# Altium PCB Arm.PcbDoc (part 2 of 2)
Units mil, origin at the board's own origin, x right, y up, seen from the top; angles counter-clockwise.
Board outline 6299.21 x 2952.76 mil, 4 copper layers (Top Layer, GND, 3V3, Bottom Layer), stack 61.811 mil thick; 133 components, 123 nets, 639 pads, 1064 vias.
Unrouted connection lines stored in the file: 2.
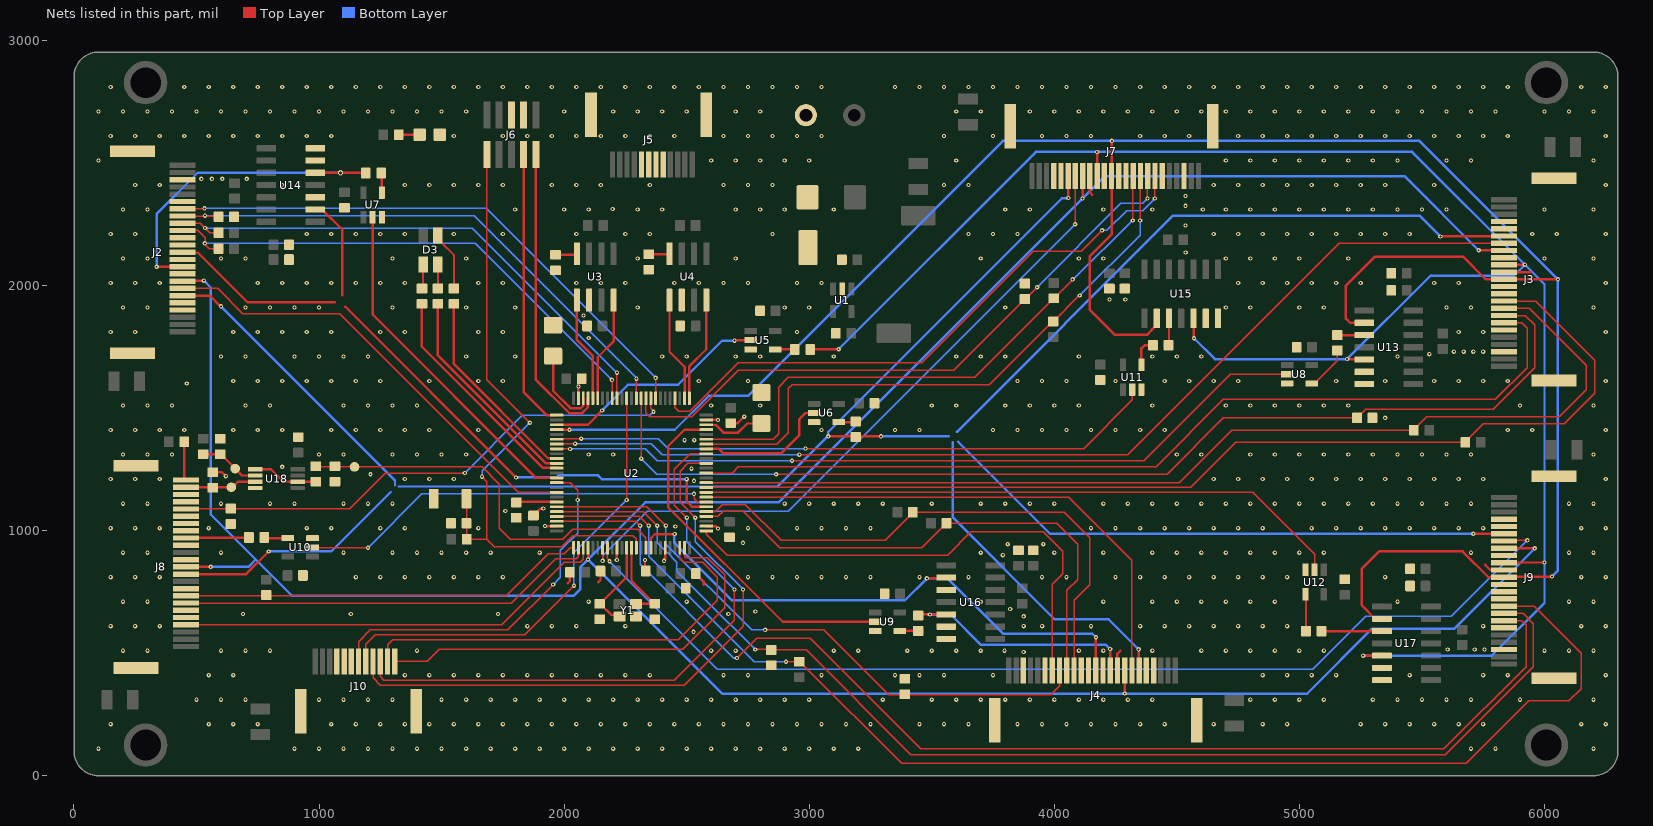
[diagram p4: the nets of this part, all layers, seen from the top]

## Via types
v1: diameter 17.72, hole 7.87, Top Layer to Bottom Layer, tented both sides, 1063 vias
v2: diameter 21, hole 12, Top Layer to Bottom Layer, tented both sides, 1 vias

## Nets (pads, with @x,y where several pads share a name; then routed paths per layer and width w, separated by ;. In a path a pad name is that pad's centre, name@x,y a point inside that pad or via, vN(x,y) a via of type N, cw(c..) or ccw(c..) an arc to the next point about the centre after c; other vN are vias at no path point) (continued)
GND: C1.1 C2.1 C3.2 C4.2 C5.2 C6.2 C7.2 C8.2 C9.2 C10.1 C11.1 C12.1 C13.1 C14.1 C15.1 C16.1 C17.2 C18.2 C19.1 C20.1 C21.1 C22.1 C23.1 C24.1 C25.1 C26.1 C27.1 C28.1 C29.1 C30.1 C31.1 C32.1 C33.1 C34.1 C35.1 C36.1 C37.1 C38.1 D1.2 D2.2 J1.2 J2.0 J2.4 J2.5 J2.9 J2.11 J2.13 J2.14 J2.19 J2.22 J3.0 J3.4 J3.5 J3.9 J3.11 J3.13 J3.14 J3.19 J3.22 J4.0 J4.4 J4.5 J4.9 J4.11 J4.13 J4.14 J4.19 J4.22 J5.0 J5.5 J5.6 J5.7 J5.8 J6.3 J6.5 J7.0 J7.4 J7.5 J7.9 J7.11 J7.13 J7.14 J7.19 J7.22 J8.0 J8.5 J8.6 J8.9 J8.13 J8.15 J8.17 J8.18 J8.19 J8.21 J8.22 J9.0 J9.4 J9.5 J9.9 J9.11 J9.13 J9.14 J9.15 J9.19 J9.22 J10.0 J10.7 J10.8 J10.9 R4.1 R9.1 R10.1 R13.2 R17.1 R19.1 R23.1 R24.1 R26.1 R42.1 R43.1 S1.1 TP3.1 U1.2 U2.10 U2.20 U2.27 U2.49 U2.74 U2.99 U3.2 U4.2 U5.3 U6.3 U7.3 U8.3 U9.3 U10.3 U11.3 U12.3 U13.6 U13.7 U14.3 U14.6 U14.7 U15.6 U15.7 U16.3 U16.6 U16.7 U17.6 U17.7 U18.4 Y1.2 | length 1080.6
  Top Layer w10: R42.1@567,1237.98 604.02,1237.98 v1(620,1222) ; C5.2@1875,1061.5 1903.5,1090 v1(1915,1090) ; v1(1921.86,1018.54) v1(1921.86,1018.54) U2.99@1969.88,1018.46 ; 2015,785 2023.5,793.5 C4.2@2023.5,830 ; U2.74@2058.46,1540.12 v1(2058.54,1588.14) v1(2058.54,1588.14) 2058.54,1607.05 C6.2@2071.5,1620 ; 2140,790 2148.5,798.5 C9.2@2148.5,835 ; v1(2215,880) 2215.47,880.47 2215.47,929.41 U2.10@2215.94,929.88 ; v1(2330,880) 2330,838.5 C3.2@2333.5,835 ; v1(2407.72,876.86) 2412.8,881.94 U2.20@2412.8,929.88 ; C10.1@2536.5,825 2570,791.5 2570,780 ; U2.27@2580.12,1018.46 2618.06,1018.46 v1(2628.14,1008.38) ; U2.49@2580.12,1451.54 v1(2628.14,1451.46) v1(2628.14,1451.46) ; C7.2@2680,1438.5 2708.5,1438.5 v1(2735,1465) ; J7.9@4145.09,2446 4145.09,2379.91 4155,2370 ; J4.9@4257.58,429.87 4257.58,497.58 4270,510 ; 5757.54,860.6 5778.62,839.53 J9.11@5835.13,839.53 ; J3.11@5835,2054.69 5944.69,2054.69 5945,2055
  other v1: 100,110.3 900,110.3 1000,110.3 1100,110.3 1200,110.3 1300,110.3 1400,110.3 1500,110.3 1600,110.3 1700,110.3 1800,110.3 1900,110.3 2000,110.3 2100,110.3 2200,110.3 2300,110.3 2400,110.3 2500,110.3 2600,110.3 2700,110.3 2800,110.3 2900,110.3 3000,110.3 3100,110.3 3200,110.3 5700,110.3 5800,110.3 6200,110.3 150,210.3 550,210.3 650,210.3 750,210.3 1050,210.3 1150,210.3 1250,210.3 1350,210.3 1450,210.3 1550,210.3 1650,210.3 1750,210.3 1850,210.3 1950,210.3 2050,210.3 2150,210.3 2250,210.3 2350,210.3 2450,210.3 2550,210.3 2650,210.3 2750,210.3 2850,210.3 2950,210.3 3050,210.3 3150,210.3 3250,210.3 3450,210.3 3550,210.3 3650,210.3 3850,210.3 3950,210.3 4050,210.3 4150,210.3 4250,210.3 4350,210.3 4450,210.3 4650,210.3 4850,210.3 4950,210.3 5250,210.3 5350,210.3 5450,210.3 5550,210.3 5650,210.3 5750,210.3 6150,210.3 6250,210.3 500,310.3 600,310.3 700,310.3 1000,310.3 1100,310.3 1200,310.3 1300,310.3 1500,310.3 1600,310.3 1700,310.3 1800,310.3 1900,310.3 2000,310.3 2100,310.3 2200,310.3 2300,310.3 2400,310.3 2500,310.3 2600,310.3 2700,310.3 2800,310.3 2900,310.3 3000,310.3 3300,310.3 3500,310.3 3600,310.3 3700,310.3 3800,310.3 3900,310.3 4000,310.3 4100,310.3 4200,310.3 4300,310.3 4400,310.3 4800,310.3 4900,310.3 5000,310.3 5100,310.3 5300,310.3 5400,310.3 5500,310.3 5600,310.3 5700,310.3 5900,310.3 6200,310.3 550,410.3 650,410.3 1350,410.3 1450,410.3 1550,410.3 1650,410.3 1750,410.3 1850,410.3 1950,410.3 2050,410.3 2150,410.3 2250,410.3 2350,410.3 2650,410.3 2750,410.3 3050,410.3 3350,410.3 3450,410.3 3550,410.3 3750,410.3 4850,410.3 4950,410.3 5050,410.3 5150,410.3 5450,410.3 5750,410.3 5850,410.3 6250,410.3 3875,505 200,510.3 300,510.3 600,510.3 700,510.3 800,510.3 1400,510.3 2600,510.3 2700,510.3 3100,510.3 3200,510.3 3400,510.3 3500,510.3 3600,510.3 3700,510.3 3796.81,510.3 4100,510.3 4200,510.3 4400,510.3 4600,510.3 4700,510.3 4800,510.3 4900,510.3 5000,510.3 5100,510.3 6000,510.3 6100,510.3 6200,510.3 5605,515 5715,515 5755,515 2528,587 150,610.3 250,610.3 350,610.3 1850,610.3 1950,610.3 2050,610.3 2250,610.3 3875,610 3950.64,610.3 4150,610.3 4350,610.3 4450,610.3 4550,610.3 4650,610.3 4750,610.3 4850,610.3 4950,610.3 5750,610.3 6150,610.3 6250,610.3 3875,650 690,660 1130,660 1730,660 2670,660 2780,670 3820,680 200,710.3 300,710.3 2100,710.3 2500,710.3 3700,710.3 4200,710.3 4400,710.3 4500,710.3 4600,710.3 4700,710.3 4800,710.3 4900,710.3 5400,710.3 6100,710.3 6200,710.3 150,810.3 250,810.3 350,810.3 1150,810.3 1250,810.3 1350,810.3 1450,810.3 1550,810.3 1650,810.3 1750,810.3 2750,810.3 2850,810.3 2950,810.3 3050,810.3 3150,810.3 3250,810.3 3450,810.3 3650,810.3 3950,810.3 4050,810.3 4250,810.3 4350,810.3 4450,810.3 4550,810.3 4650,810.3 4750,810.3 4850,810.3 4950,810.3 5350,810.3 6150,810.3 6250,810.3 3790,900 200,910.3 300,910.3 600,910.3 1100,910.3 1300,910.3 1400,910.3 1500,910.3 1600,910.3 1700,910.3 1900,910.3 3700,910.3 4000,910.3 4200,910.3 4400,910.3 4500,910.3 4600,910.3 4700,910.3 4800,910.3 4900,910.3 5000,910.3 5100,910.3 5700,910.3 6100,910.3 6200,910.3 3810,945 3955,945 2730,950 150,1010.3 250,1010.3 350,1010.3 550,1010.3 950,1010.3 1050,1010.3 1250,1010.3 1350,1010.3 1650,1010.3 2750,1010.3 2950,1010.3 3050,1010.3 3150,1010.3 3250,1010.3 4150,1010.3 4250,1010.3 4350,1010.3 4450,1010.3 4550,1010.3 4650,1010.3 4750,1010.3 4850,1010.3 5050,1010.3 5150,1010.3 5250,1010.3 5350,1010.3 5450,1010.3 5550,1010.3 5650,1010.3 5750,1010.3 6150,1010.3 6250,1010.3 2454,1017 1760,1080 200,1110.3 300,1110.3 600,1110.3 800,1110.3 900,1110.3 1100,1110.3 1200,1110.3 1300,1110.3 2900,1110.3 3000,1110.3 3100,1110.3 3200,1110.3 3300,1110.3 3500,1110.3 3700,1110.3 3800,1110.3 3900,1110.3 4000,1110.3 4200,1110.3 4300,1110.3 4400,1110.3 4500,1110.3 4600,1110.3 4700,1110.3 4800,1110.3 4900,1110.3 5000,1110.3 5100,1110.3 5200,1110.3 5300,1110.3 5400,1110.3 5500,1110.3 5600,1110.3 5700,1110.3 6100,1110.3 6200,1110.3 2530,1203 150,1210.3 250,1210.3 350,1210.3 1350,1210.3 1450,1210.3 1550,1210.3 4650,1210.3 4750,1210.3 4850,1210.3 4950,1210.3 5050,1210.3 5150,1210.3 5250,1210.3 5350,1210.3 5450,1210.3 5550,1210.3 5650,1210.3 5750,1210.3 6250,1210.3 1210,1230 2520,1253 850,1260 200,1310.3 300,1310.3 400,1310.3 1000,1310.3 1100,1310.3 1300,1310.3 1400,1310.3 1500,1310.3 1600,1310.3 2100,1310.3 2200,1310.3 4500,1310.3 4600,1310.3 4800,1310.3 4900,1310.3 5000,1310.3 5100,1310.3 5200,1310.3 5300,1310.3 5400,1310.3 5500,1310.3 5600,1310.3 5700,1310.3 6200,1310.3 2491,1369 2531,1369 150,1410.3 250,1410.3 350,1410.3 450,1410.3 650,1410.3 750,1410.3 850,1410.3 1050,1410.3 1150,1410.3 1250,1410.3 1350,1410.3 1450,1410.3 1650,1410.3 3050,1410.3 3350,1410.3 3450,1410.3 3750,1410.3 3850,1410.3 3950,1410.3 4050,1410.3 4150,1410.3 4250,1410.3 4350,1410.3 4450,1410.3 5850,1410.3 5950,1410.3 6250,1410.3 5350,1460 200,1510.3 300,1510.3 400,1510.3 700,1510.3 800,1510.3 1100,1510.3 1200,1510.3 1300,1510.3 1400,1510.3 2600,1510.3 2800,1510.3 3500,1510.3 3600,1510.3 3800,1510.3 3900,1510.3 4000,1510.3 4100,1510.3 4400,1510.3 4700,1510.3 4800,1510.3 4900,1510.3 5000,1510.3 5100,1510.3 5200,1510.3 5900,1510.3 6200,1510.3 460.3,1600 650,1610.3 750,1610.3 850,1610.3 950,1610.3 1050,1610.3 1150,1610.3 1250,1610.3 1450,1610.3 1650,1610.3 1750,1610.3 2550,1610.3 2750,1610.3 3850,1610.3 3950,1610.3 4050,1610.3 4250,1610.3 4450,1610.3 4550,1610.3 4650,1610.3 4750,1610.3 5150,1610.3 5350,1610.3 5550,1610.3 5650,1610.3 5750,1610.3 5850,1610.3 6250,1610.3 600,1710.3 700,1710.3 900,1710.3 1000,1710.3 1100,1710.3 1200,1710.3 1600,1710.3 1800,1710.3 2400,1710.3 2500,1710.3 2700,1710.3 2800,1710.3 3100,1710.3 3600,1710.3 3700,1710.3 3800,1710.3 4100,1710.3 4400,1710.3 4500,1710.3 4600,1710.3 5400,1710.3 5530,1720 5630,1730 5670,1730 5710,1730 5750,1730 2100.63,1785.63 150,1810.3 250,1810.3 650,1810.3 750,1810.3 850,1810.3 950,1810.3 1050,1810.3 1250,1810.3 1350,1810.3 1650,1810.3 1750,1810.3 2950,1810.3 5650,1810.3 5750,1810.3 6250,1810.3 2079,1878 200,1910.3 300,1910.3 700,1910.3 800,1910.3 900,1910.3 1000,1910.3 1300,1910.3 1600,1910.3 1800,1910.3 2300,1910.3 2900,1910.3 3000,1910.3 3800,1910.3 4700,1910.3 4800,1910.3 5000,1910.3 5100,1910.3 5600,1910.3 5700,1910.3 6200,1910.3 4225,1943.12 4290,1943.12 150,2010.3 250,2010.3 350,2010.3 750,2010.3 850,2010.3 950,2010.3 1050,2010.3 1150,2010.3 1250,2010.3 1350,2010.3 1650,2010.3 1750,2010.3 2050,2010.3 2150,2010.3 2250,2010.3 2450,2010.3 2550,2010.3 2650,2010.3 2750,2010.3 2950,2010.3 3050,2010.3 4750,2010.3 4850,2010.3 4950,2010.3 5050,2010.3 5150,2010.3 5250,2010.3 5550,2010.3 5650,2010.3 6250,2010.3 200,2110.3 300,2110.3 600,2110.3 700,2110.3 1300,2110.3 1600,2110.3 2300,2110.3 2700,2110.3 3700,2110.3 4100,2110.3 4200,2110.3 4700,2110.3 4800,2110.3 4900,2110.3 5000,2110.3 5200,2110.3 6000,2110.3 6200,2110.3 4535.86,2135 150,2210.3 250,2210.3 950,2210.3 1050,2210.3 1150,2210.3 1250,2210.3 1350,2210.3 1550,2210.3 1750,2210.3 2050,2210.3 2250,2210.3 2350,2210.3 2850,2210.3 3650,2210.3 3750,2210.3 3850,2210.3 4650,2210.3 4750,2210.3 4850,2210.3 4950,2210.3 5050,2210.3 5150,2210.3 5250,2210.3 5350,2210.3 5450,2210.3 5950,2210.3 6050,2210.3 6250,2210.3 4535,2245 200,2310.3 300,2310.3 1800,2310.3 2000,2310.3 2100,2310.3 2300,2310.3 2400,2310.3 2700,2310.3 2800,2310.3 2900,2310.3 3100,2310.3 3800,2310.3 3900,2310.3 4200,2310.3 4400,2310.3 4605.86,2310.3 4700,2310.3 4800,2310.3 4900,2310.3 5000,2310.3 5100,2310.3 5200,2310.3 5300,2310.3 5400,2310.3 5500,2310.3 5600,2310.3 6000,2310.3 6200,2310.3 2198.1,2312.2 4535,2325 4535,2365 250,2410.3 350,2410.3 850,2410.3 1350,2410.3 1450,2410.3 1550,2410.3 1650,2410.3 1750,2410.3 1950,2410.3 2050,2410.3 2150,2410.3 2350,2410.3 2650,2410.3 2750,2410.3 2850,2410.3 3550,2410.3 3650,2410.3 4650,2410.3 4750,2410.3 4850,2410.3 4950,2410.3 5050,2410.3 5150,2410.3 5250,2410.3 5350,2410.3 5550,2410.3 6250,2410.3 520,2435 562.5,2435 605,2435 705,2435 100,2510.3 2600,2510.3 2700,2510.3 2800,2510.3 2900,2510.3 3000,2510.3 3600,2510.3 4700,2510.3 4800,2510.3 4900,2510.3 5000,2510.3 5100,2510.3 5200,2510.3 5300,2510.3 5400,2510.3 5600,2510.3 5700,2510.3 6200,2510.3 150,2610.3 250,2610.3 350,2610.3 450,2610.3 550,2610.3 650,2610.3 750,2610.3 850,2610.3 950,2610.3 1050,2610.3 1550,2610.3 1750,2610.3 1850,2610.3 1950,2610.3 2050,2610.3 2150,2610.3 2250,2610.3 2350,2610.3 2450,2610.3 2650,2610.3 2750,2610.3 2850,2610.3 2950,2610.3 3050,2610.3 3550,2610.3 3750,2610.3 3950,2610.3 4050,2610.3 4150,2610.3 4350,2610.3 4450,2610.3 4550,2610.3 4750,2610.3 4850,2610.3 4950,2610.3 5050,2610.3 5150,2610.3 5250,2610.3 5350,2610.3 5450,2610.3 5550,2610.3 5650,2610.3 5750,2610.3 5850,2610.3 6250,2610.3 100,2710.3 200,2710.3 300,2710.3 400,2710.3 500,2710.3 600,2710.3 700,2710.3 800,2710.3 900,2710.3 1000,2710.3 1100,2710.3 1200,2710.3 1300,2710.3 1400,2710.3 1500,2710.3 1600,2710.3 2000,2710.3 2200,2710.3 2300,2710.3 2400,2710.3 2500,2710.3 2700,2710.3 2800,2710.3 3600,2710.3 3700,2710.3 3900,2710.3 4000,2710.3 4100,2710.3 4200,2710.3 4300,2710.3 4400,2710.3 4500,2710.3 4600,2710.3 4700,2710.3 4800,2710.3 4900,2710.3 5000,2710.3 5100,2710.3 5200,2710.3 5300,2710.3 5400,2710.3 5500,2710.3 5600,2710.3 5700,2710.3 5800,2710.3 6000,2710.3 6100,2710.3 6200,2710.3 150,2810.3 450,2810.3 550,2810.3 650,2810.3 750,2810.3 850,2810.3 950,2810.3 1050,2810.3 1150,2810.3 1250,2810.3 1350,2810.3 1450,2810.3 1550,2810.3 1650,2810.3 1750,2810.3 1850,2810.3 1950,2810.3 2050,2810.3 2150,2810.3 2250,2810.3 2350,2810.3 2450,2810.3 2550,2810.3 2650,2810.3 2750,2810.3 2850,2810.3 2950,2810.3 3050,2810.3 3350,2810.3 3450,2810.3 3550,2810.3 3650,2810.3 3750,2810.3 3850,2810.3 3950,2810.3 4050,2810.3 4150,2810.3 4250,2810.3 4350,2810.3 4450,2810.3 4550,2810.3 4650,2810.3 4750,2810.3 4850,2810.3 4950,2810.3 5050,2810.3 5150,2810.3 5250,2810.3 5350,2810.3 5450,2810.3 5550,2810.3 5650,2810.3 5750,2810.3 5850,2810.3 6150,2810.3 6250,2810.3
LED_B: R12.2 U2.87 | length 930
  Top Layer w10: R12.2@1420,1925 1420,1750 1914.41,1255.59 1968.98,1255.59 U2.87@1969.88,1254.68
LED_G: R15.2 U2.86 | length 877.4
  Top Layer w10: R15.2@1485,1925 1485,1715 1924.72,1275.28 1968.98,1275.28 U2.86@1969.88,1274.37
LED_R: R14.1 U2.85 | length 824.7
  Top Layer w10: R14.1@1550,1925 1550,1680 1935.04,1294.96 1968.98,1294.96 U2.85@1969.88,1294.06
NetC12_2: C12.2 U2.12 Y1.1 | length 376.4
  Top Layer w10: C12.2@2145,701.5 C12.2@2146.97,701.5 ; Y1.1@2226.54,649.41 2220.27,655.68 2192.79,655.68 C12.2@2146.97,701.5 ; U2.12@2255.31,929.88 2255.31,810.31 2161.65,716.65 2161.65,716.18 C12.2@2146.97,701.5
NetC13_2: C13.2 U2.13 Y1.3 | length 343.8
  Top Layer w10: U2.13@2275,929.88 2275,794.53 C13.2@2368.03,701.5 ; Y1.3@2293.46,700.59 2294.37,701.5 C13.2@2368.03,701.5 ; C13.2@2370,701.5 C13.2@2368.03,701.5
NetC15_2: C15.2 U2.73 | length 328.7
  Top Layer w10: C15.2@1955,1712.01 1955,1570.46 2025.9,1499.56 2068.03,1499.56 2077.37,1508.9 2077.37,1539.34 U2.73@2078.15,1540.12
NetC16_2: C16.2 U2.48 | length 253.4
  Top Layer w10: U2.48@2580.12,1431.85 2581.02,1430.94 2619.06,1430.94 2650,1400 2710,1400 2747.01,1437.01 C16.2@2805,1437.01
NetC38_2: C38.2 R41.2 TP5.1 U2.16 | length 1647.7
  Top Layer w6: R41.2@987,1262.98 989.98,1260 1065,1260 TP5.1@1145,1260 1665,1260 1735,1190 1735,1010 1780,965 1995,965 2035,1005 2300,1005 2334.06,970.94 U2.16@2334.06,929.88
NetD2_1: D2.1 R1.1 | length 85.7
  Top Layer w10: R1.1@1324.56,2615.47 D2.1@1410.23,2615.47
NetD3_1: D3.1 R14.2 | length 243.3
  Top Layer w8: D3.1@1484.53,2204.06 1484.53,2190.28 1499.21,2175.59 1499.41,2175.59 1550,2125 R14.2@1550,1987.99
NetD3_2: D3.2 R15.1 | length 98.1
  Top Layer w8: D3.2@1484.53,2085.94 1484.53,1988.46 R15.1@1485,1987.99
NetD3_3: D3.3 R12.1 | length 100.2
  Top Layer w8: R12.1@1420,1987.99 1424.21,1992.2 1424.21,2084.69 D3.3@1425.47,2085.94
NetJ2_6: J2.6 J3.6 J4.6 J7.6 J8.11 J9.6 R28.2 | length 12378
  Top Layer w10: J2.6@442.87,1958.84 443.16,1959.13 554.01,1959.13 598.13,1915 v1(600,1915) ; J8.11@457,822.47 702.47,822.47 v1(795,915) ; v1(3077.59,1384.79) 3183.21,1384.79 R28.2@3187.99,1380 ; R28.2@3187.99,1384.79 v1(3292.59,1384.79) ; J7.6@4056.51,2446 4056.99,2445.52 4056.99,2357.4 v1(4057.47,2356.92) ; v1(4344.38,515.65) 4345.27,514.76 4345.27,430.76 J4.6@4346.16,429.87 ; v1(5575,2200) 5576.16,2201.16 5833.84,2201.16 J3.6@5835,2202.33 ; v1(5709.92,987.16) J9.6@5835.13,987.16
  Bottom Layer w10: v1(600,1915) 1310,1205 1310,1186 ; v1(795,915) 1050,915 1292.5,1157.5 ; 1325,1180 2870,1180 v1@3076.19,1386.19 ; v1(3077.59,1384.79) 3077.59,1402.59 4030.44,2355.44 4056,2355.44 v1(4057.47,2356.92) ; v1(3292.59,1384.79) 3292.81,1385 3570,1385 ; 3585,1360 3585,1055 4002,638 4222.03,638 v1(4344.38,515.65) ; 3602.5,1402.5 4485,2285 5490,2285 v1(5575,2200) ; 3607.5,1362.5 3982.84,987.16 v1(5709.92,987.16)
NetJ2_7: J2.7 U2.92 | length 1871.7
  Top Layer w6: J2.7@442.87,1988.36 585.91,1988.36 689.28,1885 1085,1885 1813.74,1156.26 U2.92@1969.88,1156.26
NetJ2_8: J2.8 J3.8 J4.8 J7.8 J8.12 J9.8 U2.4 | length 12344.2
  Top Layer w10: J2.8@442.87,2017.89 443.92,2018.95 528.95,2018.95 v1(530,2020) ; J8.12@457,852 457.13,852.13 557.95,852.13 v1(558.08,852.26) ; v1(2097.75,881.86) v1(2097.75,881.86) U2.4@2097.83,929.88 ; v1(4115,2355) 4115.28,2355.28 4115.28,2445.72 J7.8@4115.56,2446 ; J4.8@4287.11,429.87 4287.11,336.08 v1(4287.53,335.66) ; v1(5731.36,2143.86) 5731.65,2143.57 5834.71,2143.57 J3.8@5835,2143.28 ; J9.8@5835.13,928.11 5835.4,927.84 5960.07,927.84 v1(5960.34,927.57)
  Bottom Layer w10: v1(530,2020) 558.08,1991.92 558.08,1065.64 741.86,881.86 ; v1(558.08,852.26) 712.26,852.26 741.86,881.86 ; v1(5731.36,2143.86) 5430.22,2445 4205,2445 v1(4115,2355) 2875,1115 2330.89,1115 v1(2097.75,881.86) ; v1(5960.34,927.57) 5632.78,600 5297,600 5032,335 4287.53,335 2644.61,335 v1(2097.75,881.86) ; 741.86,881.86 888.72,735 2040,735 2065,760 2065,849.11 v1(2097.75,881.86)
NetJ2_10: J2.10 R29.2 U14.5 | length 1347.1
  Top Layer w10: v1(337.45,2076.71) 337.57,2076.83 442.75,2076.83 J2.10@442.87,2076.95 ; U14.5@985,2460 v2(1087.5,2460) 1190.01,2460 R29.2@1191.01,2459
  Bottom Layer w10: v1(337.45,2076.71) 337.45,2292.45 505,2460 v2(1087.5,2460)
NetJ2_12: J2.12 U2.31 U14.2 | length 2989.1
  Top Layer w10: J2.12@442.87,2136 444.03,2134.84 505.16,2134.84 708.35,1931.65 1065,1931.65 ; U14.2@985,2310 1012.5,2310 1095,2227.5 1095,1960 ; 1107.1,1913.9 v1(1804,1217) ; v1(2500,1210) 2500,1120 2521.89,1098.11 2579.21,1098.11 U2.31@2580.12,1097.2
  Bottom Layer w10: v1(1804,1217) 1968.29,1217 1976.29,1225 2138.5,1225 2153.5,1210 v1(2500,1210)
NetJ2_15: J2.15 R2.1 U2.67 | length 2162.8
  Top Layer w6: J2.15@442.87,2224.58 505.42,2224.58 535,2195 535,2173 v1(534,2172) 534,2168.83 544.73,2158.1 544.73,2157.93 552.66,2150 R2.1@590,2150 ; v1(2195,1615) 2195.63,1614.37 2195.63,1540.75 U2.67@2196.26,1540.12
  Bottom Layer w6: v1(534,2172) 535,2173 1637,2173 v1(2195,1615)
NetJ2_16: J2.16 R3.1 U2.66 | length 2192.4
  Top Layer w6: J2.16@442.87,2254.11 515.89,2254.11 555,2215 R3.1@590,2215 ; v1(2215.47,1644.53) 2215.71,1644.29 2215.71,1540.35 U2.66@2215.94,1540.12
  Bottom Layer w6: v1(535.44,2234.56) 1625.44,2234.56 v1(2215.47,1644.53)
NetJ2_17: J2.17 R4.2 U2.62 | length 2265.9
  Top Layer w6: J2.17@442.87,2283.64 586.36,2283.64 R4.2@590,2280 ; U2.62@2294.68,1540.12 2294.68,1619.68 v1(2295,1620)
  Bottom Layer w6: v1(535,2285) 1633,2285 2295,1623 v1(2295,1620)
NetJ2_18: J2.18 U2.58 | length 2301.2
  Top Layer w6: J2.18@442.87,2313.17 530.85,2313.17 v1(532.8,2315.11) ; U2.58@2373.43,1540.12 v1@2373.44,1623.44
  Bottom Layer w6: v1(532.8,2315.11) 1681.79,2315.11 v1(2373.45,1623.45)
NetJ3_7: J3.7 U2.82 | length 4241.9
  Top Layer w6: U2.82@1969.88,1353.11 1970.83,1354.06 2044.06,1354.06 v1(2045,1355) ; v1(2960,1310) 2965,1310 4300,1310 5162.8,2172.8 J3.7@5835,2172.8
  Bottom Layer w6: v1(2045,1355) 2355,1355 2400,1310 v1(2960,1310)
NetJ3_10: J3.10 J7.10 J9.10 R27.2 U13.5 U15.5 U17.5 | length 7806.7
  Top Layer w10: R27.2@3003.99,1739.01 3004.98,1740 v1(3120,1740) ; J7.10@4174.61,2446 4174.81,2446.19 4174.81,2544.81 v1(4175,2545) ; U15.5@4568,1866 4569,1865 4569,1786 v1(4570,1785) ; v1(5195,1700) 5196,1699 5264,1699 U13.5@5265,1698 ; v1(5260,490) U17.5@5337,490 ; J3.10@5835,2084.22 5835.39,2084.61 5919.61,2084.61 v1(5920,2085) ; J9.10@5835.13,869.05 5835.6,869.53 5907.44,869.53 5907.91,870 v1(6000,870)
  Bottom Layer w10: v1(3120,1740) 3925,2545 v1(4175,2545) 5460,2545 v1(5920,2085) ; v1(4570,1785) 4655,1700 v1(5195,1700) 5535,2040 5875,2040 v1(5920,2085) ; v1(5260,490) 5785,490 6000,705 v1(6000,870) 6000,2005 v1(5920,2085)
NetJ3_12: J3.12 J7.12 J9.12 U2.79 U13.2 U15.2 U17.2 | length 9387.3
  Top Layer w10: U2.79@1969.88,1412.17 1970.19,1411.86 2021.34,1411.86 v1(2021.65,1411.55) ; J7.12@4233.67,2446 4234.34,2446.66 4234.34,2589.34 v1(4235,2590) ; J7.12@4233.71,2444.71 4233.71,2208.71 4145,2120 4145,1900.86 4245.86,1800 4380,1800 4395.25,1815.25 4395.25,1815.75 4418,1838.5 U15.2@4418,1866 ; U13.2@5265,1848 5207,1848 5190,1865 5190,2000 5308,2118 5667.34,2118 5760.17,2025.16 J3.12@5835,2025.16 5835.08,2025.08 6054.92,2025.08 v1(6055,2025) ; U17.2@5337,640 5309.5,640 5255,694.5 5255,845 5325,915 5665.8,915 5770.8,810 J9.12@5835.13,810 5836.38,811.25 6029.16,811.25 v1(6030.41,812.5)
  Bottom Layer w10: v1(2021.65,1411.55) 2451.55,1411.55 2590,1550 2750,1550 3790,2590 v1(4235,2590) 5490,2590 v1(6055,2025) 6055,837.09 v1(6030.41,812.5)
NetJ3_15: J3.15 R6.1 U2.35 | length 4389
  Top Layer w6: U2.35@2580.12,1175.94 4555.94,1175.94 4740,1360 5675,1360 5750,1435 6080,1435 6205,1560 6205,1695 5963.42,1936.58 J3.15@5835,1936.58
NetJ3_16: J3.16 R5.1 U2.36 | length 4279.6
  Top Layer w6: U2.36@2580.12,1195 4510,1195 4725,1410 R5.1@5467.01,1410 5467.01,1411.97 5483.69,1428.65 5520.04,1465 6060,1465 6170,1575 6170,1675 5937.94,1907.05 J3.16@5835,1907.05
NetJ3_17: J3.17 R9.2 U2.61 | length 4414.1
  Top Layer w6: U2.61@2314.37,1540.12 2314.68,1539.8 v1(2314.68,1293.49) ; v1(2865,1230) 4460,1230 4690,1460 R9.2@5235,1460 5270,1495 5790,1495 5960,1665 5960,1840 5922.47,1877.53 J3.17@5835,1877.53
  Bottom Layer w6: v1(2314.68,1293.49) 2378.17,1230 v1(2865,1230)
NetJ3_18: J3.18 U2.38 | length 3792.5
  Top Layer w6: U2.38@2580.12,1235 2685,1235 2710,1260 4415,1260 4690,1535 5800,1535 5930,1665 5930,1825 5907,1848 J3.18@5835,1848
NetJ4_7: J4.7 U2.33 | length 2292
  Top Layer w6: U2.33@2580.12,1136.57 4058.43,1136.57 4316.64,878.36 J4.7@4316.64,429.87
NetJ4_10: J4.10 R31.2 U16.5 | length 993.6
  Top Layer w10: R31.2@3449,658 v1@3490,658 ; v1(3492.42,657.55) 3490.45,657.55 v1@3490,658 ; U16.5@3559,658 v1@3490,658 ; v1(4227.76,517.24) 4227.91,517.09 4227.91,430.01 J4.10@4228.05,429.87
  Bottom Layer w10: v1(3492.42,657.55) 3577.45,657.55 3701,534 4211,534 v1(4227.76,517.24)
NetJ4_12: J4.12 U2.17 U16.2 | length 2349.8
  Top Layer w10: U2.17@2353.75,929.9 2353.75,968.75 2370,985 2450,985 v1(2451.12,986.12) ; v1(3480,805) 3481.48,806.48 3557.48,806.48 U16.2@3559,808 ; J4.12@4169,429.87 4169.5,430.37 4169.5,564.5 v1(4170,565)
  Bottom Layer w10: v1(2451.12,986.12) 2450,985 2450,950 2685,715 3390,715 v1(3480,805) 3565,805 3790,580 4155,580 v1(4170,565)
NetJ4_15: J4.15 R8.1 U2.30 | length 2294.3
  Top Layer w6: U2.30@2580.12,1077.52 2617.52,1077.52 2645,1105 2740,1105 2885,960 3310,960 3425,1075 4040,1075 4145,970 4145,780 4080.42,715.42 J4.15@4080.42,429.87
NetJ4_16: J4.16 R7.1 U2.29 | length 2197.4
  Top Layer w6: U2.29@2580.12,1057.83 2627.83,1057.83 2650,1080 2730,1080 2880,930 3460,930 3541.35,1011.35 3543.31,1011.35 3560,1028.03 R7.1@3560,1030 4010,1030 4095,945 4095,800 4050.89,755.89 J4.16@4050.89,429.87
NetJ4_17: J4.17 R10.2 U2.95 | length 2491.8
  Top Layer w6: U2.95@1969.88,1097.2 2337.8,1097.2 v1(2415,1020) ; v1(2820,595) 3060,595 3325,330 3985,330 4021.36,366.36 J4.17@4021.36,429.87
  Bottom Layer w6: v1(2415,1020) 2415,945 2765,595 v1(2820,595)
NetJ4_18: J4.18 U2.26 | length 2079.4
  Top Layer w6: U2.26@2580.12,998.78 2580.12,984.88 2665,900 3564.51,900 3659.51,995 3955,995 4035,915 4035,825 3991.83,781.83 J4.18@3991.83,429.87
NetJ7_7: J7.7 U2.7 | length 2758.5
  Top Layer w6: U2.7@2156.89,929.88 2156.89,876.99 v1(2157.22,876.66) ; v1(4085,2250) 4085,2444.97 J7.7@4086.03,2446
  Bottom Layer w6: v1(2157.22,876.66) 2157.22,897.22 2340,1080 2915,1080 v1(4085,2250)
NetJ7_15: J7.15 R22.1 U2.45 | length 2403.8
  Top Layer w6: U2.45@2580.12,1372.8 2852.8,1372.8 2875,1395 2875,1585 2915,1625 3675,1625 R22.1@3997.5,1947.5 3999.47,1947.5 4075,2023.03 v1(4075,2025) ; v1(4320,2265) 4320,2443.75 J7.15@4322.25,2446
  Bottom Layer w6: v1(4075,2025) 4077.5,2025 4317.5,2265 v1(4320,2265)
NetJ7_16: J7.16 R21.1 U2.44 | length 2469.1
  Top Layer w6: U2.44@2580.12,1353.11 2868.11,1353.11 2915,1400 2915,1580 2930,1595 3735,1595 R21.1@3994,1854 ; R21.1@3995,1852.99 4101.43,1959.42 v1(4103.96,1959.42) ; v1(4350,2265) 4350,2444.22 J7.16@4351.78,2446
  Bottom Layer w6: v1(4103.96,1959.42) 4350,2205.46 v1(4350,2265)
NetJ7_17: J7.17 R24.2 U2.60 | length 2571.9
  Top Layer w6: U2.60@2334.06,1540.12 2334.06,1480.94 2350,1465 2520,1465 2710,1655 3590,1655 R24.2@3880,1945 3881.97,1945 v1(3930,1993.03) ; v1(4380,2355) 4380,2444.69 J7.17@4381.31,2446
  Bottom Layer w6: v1(3930,1993.03) 4271.97,2335 4360,2335 v1(4380,2355)
NetJ7_18: J7.18 U2.54 | length 2452.2
  Top Layer w6: U2.54@2452.17,1540.12 2452.17,1502.83 2467.51,1487.49 2512.49,1487.49 2710,1685 3460,1685 3915,2140 4110,2140 v1(4195,2225) ; v1(4410,2355) 4410,2445.16 J7.18@4410.84,2446
  Bottom Layer w6: v1(4195,2225) 4215,2225 4295,2305 4360,2305 v1(4410,2355)
NetJ8_4: J8.4 U2.3 | length 1778.6
  Top Layer w6: J8.4@457,615.78 1745.78,615.78 2000,870 2065,870 2078.15,883.15 U2.3@2078.15,929.88
NetJ8_7: J8.7 U2.2 | length 1716.2
  Top Layer w6: J8.7@457,704.36 1784.36,704.36 1965,885 2050,885 2058.46,893.46 U2.2@2058.46,929.88
NetJ8_8: J8.8 R20.1 U2.1 | length 1663
  Top Layer w6: J8.8@457,733.89 785,733.89 1763.89,733.89 1935,905 2000,905 2024.88,929.88 U2.1@2038.78,929.88
NetJ8_16: J8.16 R32.2 | length 257.8
  Top Layer w10: J8.16@457,970.11 712.12,970.11 R32.2@714.01,972
NetJ8_20: J8.20 R23.2 U2.59 | length 2132.1
  Top Layer w6: J8.20@457,1088.22 458.78,1090 R23.2@640,1090 1125,1090 1270,1235 v1(1595,1235) ; U2.59@2353.74,1540.12 2353.74,1499 2365,1487.74 v1(2365,1485)
  Bottom Layer w6: v1(1595,1235) 1830.01,1470.01 2350.01,1470.01 v1(2365,1485)
NetJ8_23: J8.23 R42.2 TP6.1 U18.3 | length 292.7
  Top Layer w10: J8.23@457,1176.8 457.1,1176.9 567,1176.9 641.9,1176.9 TP6.1@642,1177 646.64,1177 668.85,1199.2 U18.3@740.39,1199.2
NetJ8_24: J8.24 R44.2 | length 159.3
  Top Layer w10: R44.2@449.99,1362 449.99,1212.16 455.82,1206.33 J8.24@457,1206.33
NetJ9_7: J9.7 U2.8 | length 4298.9
  Top Layer w6: U2.8@2176.57,929.88 2176.57,886.6 2185,878.17 v1(2185,875) ; J9.7@5835.13,957.64 5837.49,960 v1(5930,960)
  Bottom Layer w6: v1(2185,875) 2625,435 5055,435 5270,650 5620,650 v1(5930,960)
NetJ9_16: J9.16 R25.1 U2.97 | length 5336.5
  Top Layer w6: U2.97@1969.88,1057.83 2307.17,1057.83 v1(2345,1020) ; v1(2905,465) 2961.97,465 2978.65,448.31 3376.97,50 5680,50 5935,305 6100,305 6150,355 6150,500 5958.11,691.89 J9.16@5835.13,691.89
  Bottom Layer w6: v1(2345,1020) 2345,895 2775,465 v1(2905,465)
NetJ9_17: J9.17 R26.2 U2.96 | length 4920.8
  Top Layer w6: U2.96@1969.88,1077.52 2322.48,1077.52 v1(2380,1020) ; v1(2779.88,515.12) 2842.87,515.12 R26.2@2845,512.99 2987.01,512.99 3415,85 5595,85 5955,445 5955,620 5912.64,662.36 J9.17@5835.13,662.36
  Bottom Layer w6: v1(2380,1020) 2380,950 2421.2,908.8 2423.87,908.8 2439.65,893.02 2439.65,890.35 2460,870 2460,835 2578.88,716.12 v1(2779.88,515.12)
NetJ9_18: J9.18 U2.98 | length 4904.4
  Top Layer w6: U2.98@1969.88,1038.15 2291.85,1038.15 v1(2310,1020) ; v1(2705,480) 2785,560 3005,560 3455,110 5590,110 5925,445 5925,615 5907.17,632.83 J9.18@5835.13,632.83
  Bottom Layer w6: v1(2310,1020) 2310,862.02 2691.88,480.14 2704.86,480.14 v1(2705,480)
NetJ10_1: J10.1 U2.24 | length 1801.4
  Top Layer w6: J10.1@1309.07,466.74 1441.74,466.74 1490,515 2485,515 2655,685 2655,820 2585,890 2495.38,890 2491.54,893.85 U2.24@2491.54,929.88
NetJ10_2: J10.2 U2.23 | length 1810.3
  Top Layer w6: J10.2@1279.54,466.74 1279.54,534.54 1300,555 2465,555 2625,715 2625,810 2565,870 2490,870 2471.85,888.15 U2.23@2471.85,929.88
NetJ10_3: J10.3 U2.42 | length 2487.4
  Top Layer w6: J10.3@1250.02,466.74 1250.02,404.98 1265,390 2450,390 2695,635 v1(2695,760) ; v1(2500.83,1053.14) 2450,1103.98 2450,1250 2513.74,1313.74 U2.42@2580.12,1313.74
  Bottom Layer w6: v1(2500.83,1053.14) 2500.83,954.17 v1(2695,760)
NetJ10_4: J10.4 U2.40 | length 2547.8
  Top Layer w6: J10.4@1220.49,466.74 1220.49,399.51 1250,370 2490,370 2730,610 v1(2730,760) ; v1(2535,1053.14) 2473.14,1115 2473.14,1243.14 2504.37,1274.37 U2.40@2580.12,1274.37
  Bottom Layer w6: v1(2535,1053.14) 2535,955 v1(2730,760)
NetJ10_5: J10.5 U2.64 | length 1871.6
  Top Layer w6: J10.5@1190.96,466.74 1190.96,535.96 1230,575 1840,575 v1(2040,775) ; v1(2255,1125) 2255.16,1125.16 2255.16,1539.96 U2.64@2255.31,1540.12
  Bottom Layer w6: v1(2040,775) 2040,910 v1(2255,1125)
NetJ10_6: J10.6 U2.90 | length 1494.2
  Top Layer w6: J10.6@1161.43,466.74 1161.97,467.27 1161.97,546.97 1210,595 1770,595 v1(1955,780) ; U2.90@1969.88,1195.63 2024.37,1195.63 2055,1165 v1(2055,1125)
  Bottom Layer w6: v1(1955,780) 1985,810 1985,920 2055,990 v1(2055,1125)
NetR13_1: R13.1 U2.94 | length 165.7
  Top Layer w10: R13.1@1805,1115 1806.89,1116.89 U2.94@1969.88,1116.89
NetR17_2: R17.2 U3.8 | length 88.9
  Top Layer w10: R17.2@1965,2125 2047.51,2125 U3.8@2052,2129.49
NetR19_2: R19.2 U4.8 | length 85.6
  Top Layer w10: R19.2@2345,2127.99 2428.5,2127.99 U4.8@2430,2129.49
NetR27_1: R27.1 U5.4 | length 79.5
  Top Layer w10: U5.4@2861.71,1739.6 2940.41,1739.6 R27.1@2941,1739.01
NetR28_1: R28.1 U6.4 | length 65.5
  Top Layer w6: R28.1@3187.9,1442.9 R28.1@3190,1445
  Top Layer w10: U6.4@3125.35,1442.9 R28.1@3187.9,1442.9
NetR29_1: R29.1 U7.4 | length 77.2
  Top Layer w10: U7.4@1256.4,2379.35 R29.1@1256.4,2456.6
NetR30_1: R30.1 U8.4 | length 185.5
  Top Layer w6: U8.4@5050.35,1600.6 5063.54,1600.6 5155,1692.05 R30.1@5155,1735.01
NetR30_2: R30.2 U13.3 | length 110
  Top Layer w10: R30.2@5155,1798 U13.3@5265,1798
NetR31_1: R31.1 U9.4 | length 75.2
  Top Layer w10: U9.4@3369.35,590.6 R31.1@3444.59,590.6
NetR32_1: R32.1 U10.4 | length 80.5
  Top Layer w10: R32.1@778,967 780.1,969.1 U10.4@857.65,969.1
NetR33_1: R33.1 U11.4 | length 119.9
  Top Layer w10: U11.4@4355.4,1676.35 4355.4,1743.4 4368,1756 R33.1@4403,1756
NetR33_2: R33.2 U15.3 | length 121.2
  Top Layer w10: U15.3@4468,1866 4468,1748.99 R33.2@4470.99,1746
NetR34_1: R34.1 U12.4 | length 149.4
  Top Layer w10: R34.1@5027,590 U12.4@5027,739.36
NetR34_2: R34.2 U17.3 | length 247
  Top Layer w10: R34.2@5089.99,590 U17.3@5337,590
NetR40_1: R40.1 R43.2 TP4.1 U18.2 | length 249.5
  Top Layer w10: R40.1@527,1312 R43.2@597,1312 598.97,1312 TP4.1@657.98,1252.98 686.17,1224.8 U18.2@740.39,1224.8
NetR41_1: R41.1 U18.1 U18.6 | length 268.1
  Top Layer w10: U18.1@740.39,1250.39 803.28,1250.39 854.46,1199.2 U18.6@913.61,1199.2 986.21,1199.2 R41.1@987,1199.99
NetU2_32: U2.32 U10.2 | length 1723.8
  Top Layer w6: U10.2@973.35,931.7 975.05,930 v1(1200,930) ; v1(2530,1150) 2531.31,1148.69 2531.31,1129.14 2543.56,1116.89 U2.32@2580.12,1116.89
  Bottom Layer w6: v1(1200,930) 1420,1150 v1(2530,1150)
NetU2_34: U2.34 U12.2 | length 2649.4
  Top Layer w6: U2.34@2580.12,1156.26 4808.74,1156.26 5062,903 U12.2@5062,840.35
NetU2_43: U2.43 U6.2 | length 553.6
  Top Layer w10: U2.43@2580.12,1333.43 2631.58,1333.43 2650,1315 2885,1315 2960,1390 2960,1455 2984.91,1479.91 3019.56,1479.91 U6.2@3019.65,1480
NetU2_47: U2.47 U9.2 | length 1470
  Top Layer w10: U2.47@2580.12,1412.17 2492.17,1412.17 2425,1345 2425,1095 2892,628 U9.2@3268.65,628
NetU2_51: U2.51 U4.4 | length 428.9
  Top Layer w10: U2.51@2511.22,1540.12 2511.22,1671.22 2580,1740 U4.4@2580,1940.51
NetU2_52: U2.52 U4.1 | length 425.9
  Top Layer w10: U4.1@2430,1940.51 2430,1730 2491.54,1668.46 U2.52@2491.54,1540.12
NetU2_70: U2.70 U3.4 | length 427.2
  Top Layer w10: U2.70@2137.2,1540.12 2137.2,1707.2 2202,1772 U3.4@2202,1940.51
NetU2_71: U2.71 U3.1 | length 427.5
  Top Layer w10: U3.1@2052,1940.51 2052,1778 2117.52,1712.48 U2.71@2117.52,1540.12
NetU2_78: U2.78 U5.2 | length 934.1
  Top Layer w10: U2.78@1969.88,1431.85 2096.85,1431.85 v1(2155,1490) ; v1(2695,1775) 2696,1776 2760,1776 U5.2@2761,1777
  Bottom Layer w10: v1(2155,1490) 2260,1595 2465,1595 2645,1775 v1(2695,1775)
NetU2_81: U2.81 U11.2 | length 2490.3
  Top Layer w6: U2.81@1969.88,1372.8 1970.98,1373.9 2068.9,1373.9 v1(2070,1375) ; v1(2985.1,1335) 4120,1335 4318,1533 U11.2@4318,1575.65
  Bottom Layer w6: v1(2070,1375) 2385,1375 2425,1335 v1(2985.1,1335)
NetU2_83: U2.83 U8.2 | length 3146
  Top Layer w6: U2.83@1969.88,1333.43 1970.04,1333.27 2024.71,1333.27 v1(2024.86,1333.11) ; v1(2930,1285) 4365,1285 4718,1638 U8.2@4949.65,1638
  Bottom Layer w6: v1(2024.86,1333.11) 2331.89,1333.11 2380,1285 v1(2930,1285)
NetU2_89: U2.89 U7.2 | length 1424.3
  Top Layer w10: U7.2@1219,2278.65 1219,1881 1884.69,1215.31 U2.89@1969.88,1215.31
NRST: C14.2 J6.10 R11.2 S1.2 U2.14 | length 2661.4
  Top Layer w6: S1.2@1601.93,1130 1602.46,1129.47 1602.46,1030 1602.46,965.53 R11.2@1602.99,965 1685,965 ; v1(1665,1220) 1685,1200 1685,965 ; J6.10@1685,2535 1685,1615 v1(1860,1440) ; U2.14@2294.68,929.88 2293.78,930.79 2293.78,966.42 2280.2,980 2035,980 1990,935 1715,935 1685,965
  Bottom Layer w6: v1(1665,1220) 1665,1245 v1(1860,1440)
SWD_CLK: J6.4 U2.76 | length 1143.7
  Top Layer w10: J6.4@1835,2535 1835,1565 1928.78,1471.22 U2.76@1969.88,1471.22
SWD_IO: J6.2 U2.72 | length 1235.6
  Top Layer w10: J6.2@1885,2535 1885,1615 2020.86,1479.14 2073.06,1479.14 2097.05,1503.13 2097.05,1539.34 U2.72@2097.83,1540.12
pads on no net: H1.0 H2.0 H3.0 H4.0 J6.6 J6.7 J6.8 J6.9 J8.10 J8.14 U1.4 U2.5 U2.9 U2.15 U2.18 U2.25 U2.37 U2.39 U2.41 U2.46 U2.53 U2.55 U2.56 U2.57 U2.63 U2.65 U2.68 U2.69 U2.77 U2.80 U2.84 U2.88 U2.91 U2.93 U3.5 U4.5 U5.1 U6.1 U7.1 U8.1 U9.1 U10.1 U11.1 U12.1 U13.1 U13.8 U14.1 U14.8 U15.1 U15.8 U16.1 U16.8 U17.1 U17.8 U18.5 Y1.4

## Polygon pours and split planes (outlines as drawn)
GND on Top Layer "GND_L01_P030" (solid, remove dead copper, pour order 30): 0.5,99.8 0.5,2852.56 cw(c100.5,2852.56) 100.5,2952.56 6199.71,2952.56 cw(c6199.71,2852.56) 6299.71,2852.56 6299.71,99.8 cw(c6199.71,99.8) 6199.71,-0.2 100.5,-0.2 cw(c100.5,99.8)
3V3 on Top Layer "3V3_L01_P023" (solid, pour order 23): 4403,2011 4420,1994 4420,1984 4414,1978 4354,1978 4319,2013 4319,2059 4323,2063 4336.47,2063 4342,2057.47 4342,2023 4354,2011
3V3 on Top Layer "3V3_L01_P021" (solid, pour order 21): 5410,1863 5393,1846 5383,1846 5377,1852 5377,1912 5412,1947 5451.9,1947 5457,1941.9 5457,1930 5451,1924 5422,1924 5410,1912
3V3 on Top Layer "3V3_L01_P025" (solid, pour order 25): 5482,655 5465,638 5455,638 5449,644 5449,704 5484,739 5523.9,739 5529,733.9 5529,722 5523,716 5494,716 5482,704
3V3 on Top Layer "3V3_L01_P020" (solid, pour order 20): 840,2295 861,2316 872,2316 881,2307 881,2245 835.35,2199.35 799.9,2199.35 791,2208.25 791,2224 799,2232 826,2232 840,2246
5V_WRSTL on Top Layer "5V_WRSTL_L01_P018" (solid, pour order 18): 3927.67,2380.87 3895.8,2380.87 3885.67,2391 3885.67,2501 3896.54,2511.87 3951.54,2511.87 3969.67,2530 3969.67,2545.87 3957.67,2557.87 3881.67,2557.87 3796.67,2472.87 3796.67,2411.87 3878.54,2330 3958.67,2330 3969.67,2341 3969.67,2359.87 3948.67,2380.87
5V_SHLDR on Top Layer "5V_SHLDR_L01_P015" (solid, pour order 15): 5769.87,2331.17 5769.87,2363.04 5780,2373.17 5890,2373.17 5900.87,2362.3 5900.87,2307.3 5919,2289.17 5934.87,2289.17 5946.87,2301.17 5946.87,2377.17 5861.87,2462.17 5800.87,2462.17 5719,2380.3 5719,2300.17 5730,2289.17 5748.87,2289.17 5769.87,2310.17
5V_WRSTR on Top Layer "5V_WRSTR_L01_P010" (solid, pour order 10): 5770,1116 5770,1147.87 5780.13,1158 5890.13,1158 5901,1147.13 5901,1092.13 5919.13,1074 5935,1074 5947,1086 5947,1162 5862,1247 5801,1247 5719.13,1165.13 5719.13,1085 5730.13,1074 5749,1074 5770,1095
5V_TRNTBL on Top Layer "5V_TRNTBL_L01_P001" (solid, pour order 1): 4475,495 4506.87,495 4517,484.87 4517,374.87 4506.13,364 4451.13,364 4433,345.87 4433,330 4445,318 4521,318 4606,403 4606,464 4524.13,545.87 4444,545.87 4433,534.87 4433,516 4454,495
5V_CLAW on Top Layer "5V_CLAW_L01_P000" (solid, pour order 0): 522.13,546 522.13,514.13 512,504 402,504 391.13,514.87 391.13,569.87 373,588 357.13,588 345.13,576 345.13,513 428.13,430 506.13,430 573,496.87 573,577 562,588 543.13,588 522.13,567
5V_QUAD on Top Layer "5V_QUAD_L01_P008" (solid, pour order 8): 1003.07,401.61 972.39,401.61 961.07,412.93 961.07,521.07 972.61,532.61 1026.61,532.61 1045.07,551.07 1045.07,566.61 1033.07,578.61 970.07,578.61 882,490.54 882,440 963,359 1036,359 1045.07,368.07 1045.07,380.61 1024.07,401.61
5V_ELBW on Top Layer "5V_ELBW_L01_P019" (solid, pour order 19): 508,1830 508,1799 497,1788 388,1788 377,1799 377,1853 358,1872 343,1872 331,1860 331,1797 420,1708 486,1708 570,1792 570,1819 570,1865 563,1872 529,1872 508,1851
NetJ2_12 on Top Layer "NETJ2_12_L01_P027" (solid, pour order 27): 1118,1945 1118,1918.46 1108.46,1909 1078,1909 1061,1926 1061,1938 1083,1960 1103,1960
5V_FUSED on Top Layer "5V_FUSED_L01_P029" (solid, pour order 29): 3510,2205 3610,2205 3650,2165 3650,1960 3632.5,1942.5 3202.5,1942.5 3190,1930 3105,1930 3085,1950 3085,2015 3090,2020 3105,2020 3120,2005 3120,1960 3150,1960 3150,2055 3175,2080 3175,2135 3140,2170 3140,2400 3150,2410 3365,2410 3395,2440 3510,2440 3510,2255
3V3 on Top Layer "3V3_L01_P024" (solid, pour order 24): 3188.69,1918.15 3220.54,1950 3620,1950 3645,1925 3645,1870 3460,1685 3150,1685 3150,1856.18 3157.16,1863.34 3157.16,1920.67 3187.64,1920.67 3188.69,1919.63
5V on Top Layer "5V_L01_P028" (solid, pour order 28): 3090,2525 3160,2455 3510,2455 3510,2595 3290,2815 3140,2815 3090,2765
3V3 on 3V3 "3V3_L03_P014" (solid, remove dead copper, pour order 14): 0,-195 6305,-195 6760,260 6760,3200 75,3200 0,3125
5V_FUSED on 3V3 "5V_FUSED_L03_P013" (solid, pour order 13): 3150,2280 3335,2280 3410,2205 3635,2205 3685,2155 3685,2015 3620,1950 3330,1950 3135,2145 3135,2265
GND on Bottom Layer "GND_L04_P017" (solid, remove dead copper, pour order 17): 0,3050 195,3245 6295,3245 6475,3065 6475,-140 140,-140 0,0
NetJ2_6 on Bottom Layer "NETJ2_6_L04_P016" (solid, pour order 16): 1309,1153 1297,1153 1288,1162 1288,1183 1300,1195 1320,1195 1325,1190 1325,1169
NetJ2_6 on Bottom Layer "NETJ2_6_L04_P012" (solid, pour order 12): 3610,1430 3630,1410 3630,1370 3600,1340 3570,1340 3540,1370 3540,1400 3570,1430
GND on GND "GND_L02_P004" (solid, pour order 4): 0,-250 20,-270 6685,-270 6685,3050 6380,3355 0,3355

## Keep-outs
Keep-Out Layer:
  the board outline again, w10

## Silkscreen, mask and mechanical layers (free items; w line width, h text height)
Top Overlay:
  drawing of 16 lines, arcs and shapes, not listed
  text "GND" at 2850,2900.2 h75 r180
  text "5V" at 3393,2896.2 h75 r180
  text "WRSTL" at 4457,2841.8 h75
  text "ELBW" at 161,2638 h75
  text "SHLDR" at 5945,1499.8 h75
  text "University of Waterloo Robotics Team / Arm board rev 2 / Kyle Hong" at 3290,1150 h70
  text "CLAW" at 597.8,778 h75 r270
  text "TRNTBL" at 4183,631 h75
  text "QUAD ENCODER" at 1000,587.71 h75
  text "WRSTR" at 5930,290.8 h75
Bottom Overlay:
  drawing of 12 lines, arcs and shapes, not listed
Mechanical 15:
  circle w0.5: c292.76,124.8 r64.25
  circle w0.5: c292.76,2827.56 r64.25
  circle w0.5: c6007.46,124.8 r64.25
  circle w0.5: c6007.46,2827.56 r64.25